# KiCad board PSEC5_Ctrl_Board.kicad_pcb (continued)
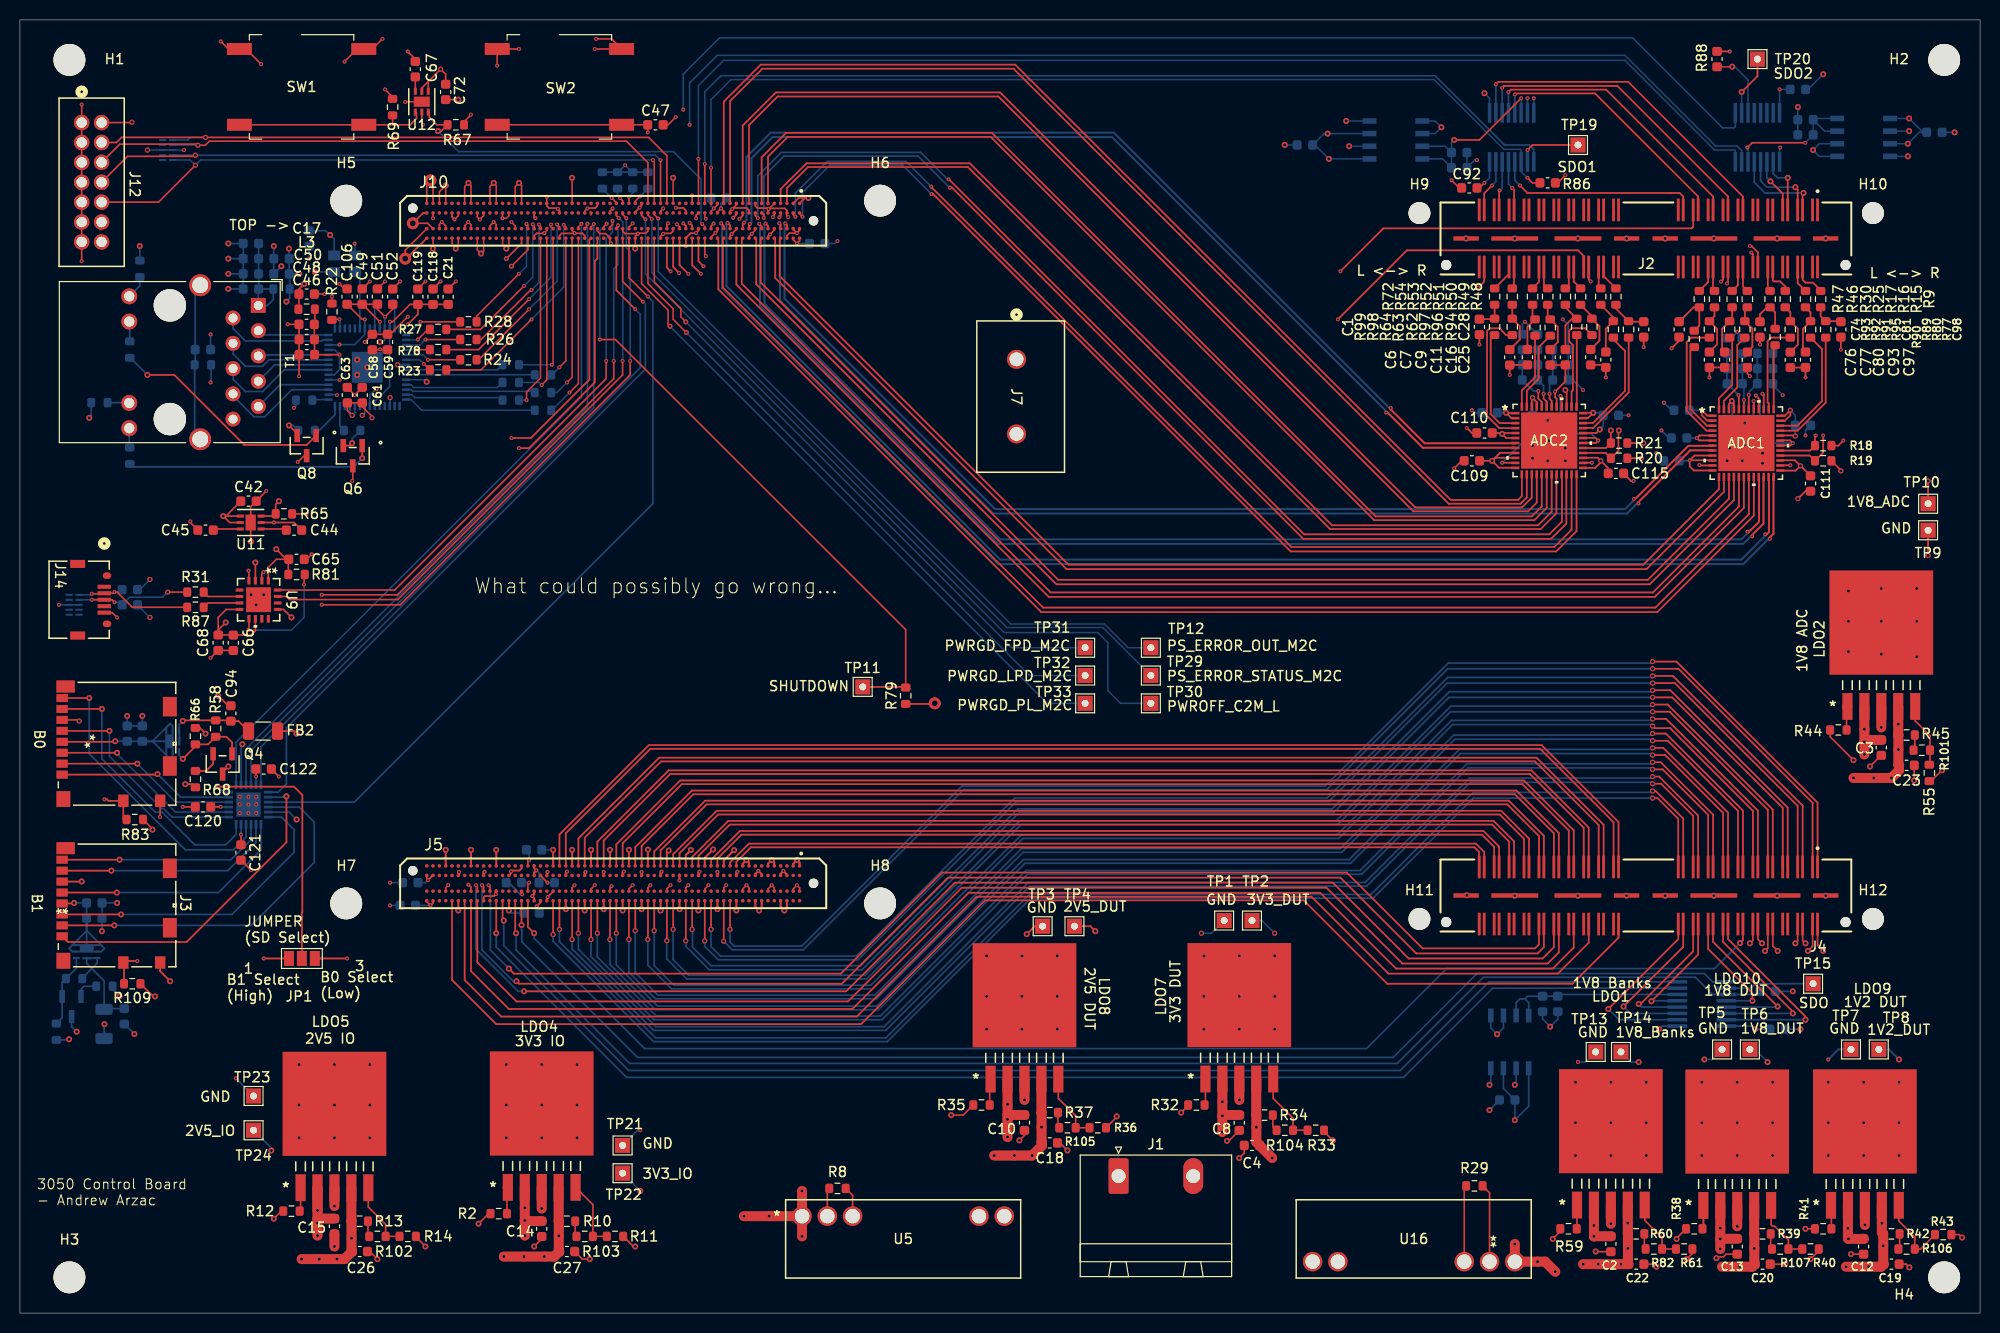
[diagram p0: board, top side]
## Library data of the parts
ADC1 ADC2 = -: ki_fp_filters: CP_48_8_ADI CP_48_8_ADI-M CP_48_8_ADI-L
C1-C4 C6-C16 C18-C20 C22-C32 C41-C45 C47 C67 C70-C89 C91-C93 C97-C103 C105 C109-C117 C155 = -: Description: Unpolarized capacitor, small symbol; ki_fp_filters: C_*
C5 C17 C21 C33-C40 C46 C48-C66 C68 C69 C90 C94 C95 C104 C106-C108 C118-C122 = -: Description: Unpolarized capacitor; ki_fp_filters: C_*
FB1 FB2 = -: Description: Ferrite bead; ki_fp_filters: Inductor_* L_* *Ferrite*
H1-H12 = -: Description: Mounting Hole without connection; ki_fp_filters: MountingHole*
J1 = -: ki_fp_filters: CONN_1766343_PXC
J2 J4 = -: PARTREV: M; STANDARD: Manufacturer Recommendations; MAXIMUM_PACKAGE_HEIGHT: 3.327mm; MANUFACTURER: Samtec
J3 J6 = -: ki_fp_filters: 104031-0811_MOL
J5 J10 = -: PARTREV: 7; MANUFACTURER: Samtec; MAXIMUM_PACKAGE_HEIGHT: 4.1mm; STANDARD: Manufacturer Recommendations
J7 = -: ki_fp_filters: CONN_1766453
J12 = -: ki_fp_filters: CONN_87831-1420_MOL
J14 = -: ki_fp_filters: ZX62D-B-5P830_HIR
JP1 = -: Description: Jumper, 3-pole, pins 1+2 closed/bridged; ki_fp_filters: Jumper* TestPoint*3Pads* TestPoint*Bridge*
L3 L5 = -: Description: Inductor; ki_fp_filters: Choke_* *Coil* Inductor_* L_*
LDO1 LDO2 LDO4 LDO5 LDO7-LDO10 = -: ki_fp_filters: TS5B TS5B-M TS5B-L
Q1 Q4 Q6 Q8 = -: Datasheet: https://ngspice.sourceforge.io/docs/ngspice-html-manual/manual.xhtml#cha_MOSFETs; Description: N-MOSFET transistor, drain/source/gate; Sim.Type: VDMOS; Sim.Pins: 1=D 2=G 3=S
R1 R3-R7 R22-R24 R26-R28 R31 R56 R57 R78 R81 R83 R84 R86-R88 R100 R108 R109 = -: Description: Resistor, US symbol; ki_fp_filters: R_*
R2 R8-R21 R25 R29 R30 R32-R55 R58-R77 R79 R80 R82 R85 R89-R99 R101-R107 R110-R115 = -: Description: Resistor, small US symbol; ki_fp_filters: R_*
SW1 SW2 = -: Datasheet: http://www.apem.com/int/index.php?controller=attachment&id_attachment=488; Description: MEC 5G single pole normally-open tactile switch; ki_fp_filters: SW*MEC*5G*
T1 = -: LED: green/yellow-green/yellow; USB: No; MOUNT: THT; DATASHEET-URL: https://www.we-online.com/redexpert/spec/7499111446?ae; DATA-RATE: 10/100/1000 Base-T; POE: non-PoE; PORTS: 1
TP1-TP15 TP19-TP24 TP29-TP33 = -: Description: test point; ki_fp_filters: Pin* Test*
U1 = -: ki_fp_filters: QFN_56P_MTG QFN_56P_MTG-M QFN_56P_MTG-L
U2 U4 U15 = -: MF: Analog Devices; VENDOR: Linear Technology; Description_1: Linear Technology Ltc2600cgn#Pbf / Ic Dac Octal r-r 16bit 16ssop; Package: SSOP-16 Linear Technology; Price: None; Check_prices: https://www.snapeda.com/parts/LTC2600CGN%23PBF/Analog+Devices/view-part/?ref=eda; SnapEDA_Link: https://www.snapeda.com/parts/LTC2600CGN%23PBF/Analog+Devices/view-part/?ref=snap; MP: LTC2600CGN#PBF; Availability: In Stock; MANUFACTURER_PART_NUMBER: ltc2600cgn
U3 U10 = -: ki_fp_filters: U_PUSB3FR4Z_NEX U_PUSB3FR4Z_NEX-M U_PUSB3FR4Z_NEX-L
U5 U16 = -: ki_fp_filters: OKX-T/5-D12N-C_MUR
U6 U14 = -: ki_fp_filters: SON_1DJ-T1-GE3_VIS
U7 U8 U13 = -: ki_fp_filters: SOIC8_NARROW_SN_MCH SOIC8_NARROW_SN_MCH-M SOIC8_NARROW_SN_MCH-L
U9 = -: ki_fp_filters: QFN-16_FTD QFN-16_FTD-M QFN-16_FTD-L
U11 U12 = -: ki_fp_filters: DRV6_1P6X1
U17 = -: ki_fp_filters: RTW24_2P45X2P45
Y3 = -: PARTREV: 08.06.14; STANDARD: Manufacturer Recommendations; MAXIMUM_PACKAGE_HEIGHT: 1.2 mm; MANUFACTURER: Abracon

## Footprints (pads in the part's own frame, mm; a bottom-side part is the same pattern mirrored in y, then rotated)
104031-0811_MOL
  rect 0.813x1.143 smd: 1(3.105,-5.521) 2(2.005,-5.521) 3(0.905,-5.521) 4(-0.195,-5.521) 5(-1.295,-5.521) 6(-2.395,-5.521) 7(-3.495,-5.521) 8(-4.595,-5.521)
  rect 1.245x1.041 smd: 9(5.74,0.628) 10(5.74,4.329)
  rect 1.6x1.397 smd: 11(5.565,-5.396)
  rect 1.219x1.854 smd: 12(-5.755,-5.172)
  rect 1.956x1.397 smd: 13(-3.73,5.303) 14(2.24,5.303)
C_0603_1608Metric
  rrect 0.9x0.95 smd: 1(-0.775,0) 2(0.775,0)
CONN_87831-1420_MOL
  round 1.549 hole 1.041: 1(0,0) 2(0,2) 3(2,0) 4(2,2) 5(4,0) 6(4,2) 7(6,0) 8(6,2) 9(8,0) 10(8,2) 11(10,0) 12(10,2) 13(12,0) 14(12,2)
CONN_1766453
  round 1.905 hole 1.397: 1(-7.5,0) 2(0,0)
CP_48_8_ADI
  rect 0.813x0.254 smd: 1(-3.404,2.75) 2(-3.404,2.25) 3(-3.404,1.75) 4(-3.404,1.25) 5(-3.404,0.75) 6(-3.404,0.25) 7(-3.404,-0.25) 8(-3.404,-0.75) 9(-3.404,-1.25) 10(-3.404,-1.75) 11(-3.404,-2.25) 12(-3.404,-2.75) 25(3.404,-2.75) 26(3.404,-2.25) 27(3.404,-1.75) 28(3.404,-1.25) 29(3.404,-0.75) 30(3.404,-0.25) 31(3.404,0.25) 32(3.404,0.75) 33(3.404,1.25) 34(3.404,1.75) 35(3.404,2.25) 36(3.404,2.75)
  rect 0.254x0.813 smd: 13(-2.75,-3.404) 14(-2.25,-3.404) 15(-1.75,-3.404) 16(-1.25,-3.404) 17(-0.75,-3.404) 18(-0.25,-3.404) 19(0.25,-3.404) 20(0.75,-3.404) 21(1.25,-3.404) 22(1.75,-3.404) 23(2.25,-3.404) 24(2.75,-3.404) 37(2.75,3.404) 38(2.25,3.404) 39(1.75,3.404) 40(1.25,3.404) 41(0.75,3.404) 42(0.25,3.404) 43(-0.25,3.404) 44(-0.75,3.404) 45(-1.25,3.404) 46(-1.75,3.404) 47(-2.25,3.404) 48(-2.75,3.404)
  rect 5.639x5.639 smd: 49(0,0)
DRV6_1P6X1
  rect 0.7x0.3 smd: 1(-1.05,0.65) 2(-1.05,0) 3(-1.05,-0.65) 4(1.05,-0.65) 5(1.05,0) 6(1.05,0.65)
  rect 1.016x1.6 smd: 7(0,0)
MountingHole_2.2mm_M2_DIN965
  round 2.2 hole 2.2 unplated: (0,0)
MountingHole_3.2mm_M3_DIN965
  round 3.2 hole 3.2 unplated: (0,0)
OKX-T&slash_5-D12N-C_MUR
  round 1.956 hole 1.448: 1(0,0) 2(2.54,0) 3(5.08,0) 4(17.78,0) 5(20.32,0)
PhoenixContact_GMSTBA_2,5_2-G_1x02_P7.50mm_Horizontal
  rrect 2x3.6 hole 1.4: 1(0,0)
  oval 2x3.6 hole 1.4: 2(7.5,0)
QFN-16_FTD
  rect 0.762x0.305 smd: 1(-1.918,0.975) 2(-1.918,0.325) 3(-1.918,-0.325) 4(-1.918,-0.975) 9(1.918,-0.975) 10(1.918,-0.325) 11(1.918,0.325) 12(1.918,0.975)
  rect 0.305x0.762 smd: 5(-0.975,-1.918) 6(-0.325,-1.918) 7(0.325,-1.918) 8(0.975,-1.918) 13(0.975,1.918) 14(0.325,1.918) 15(-0.325,1.918) 16(-0.975,1.918)
  rect 2.489x2.489 smd: 17(0,0)
QFN_56P_MTG
  rect 0.813x0.254 smd: 1(-3.899,3.25) 2(-3.899,2.75) 3(-3.899,2.25) 4(-3.899,1.75) 5(-3.899,1.25) 6(-3.899,0.75) 7(-3.899,0.25) 8(-3.899,-0.25) 9(-3.899,-0.75) 10(-3.899,-1.25) 11(-3.899,-1.75) 12(-3.899,-2.25) 13(-3.899,-2.75) 14(-3.899,-3.25) 29(3.899,-3.25) 30(3.899,-2.75) 31(3.899,-2.25) 32(3.899,-1.75) 33(3.899,-1.25) 34(3.899,-0.75) 35(3.899,-0.25) 36(3.899,0.25) 37(3.899,0.75) 38(3.899,1.25) 39(3.899,1.75) 40(3.899,2.25) 41(3.899,2.75) 42(3.899,3.25)
  rect 0.254x0.813 smd: 15(-3.25,-3.899) 16(-2.75,-3.899) 17(-2.25,-3.899) 18(-1.75,-3.899) 19(-1.25,-3.899) 20(-0.75,-3.899) 21(-0.25,-3.899) 22(0.25,-3.899) 23(0.75,-3.899) 24(1.25,-3.899) 25(1.75,-3.899) 26(2.25,-3.899) 27(2.75,-3.899) 28(3.25,-3.899) 43(3.25,3.899) 44(2.75,3.899) 45(2.25,3.899) 46(1.75,3.899) 47(1.25,3.899) 48(0.75,3.899) 49(0.25,3.899) 50(-0.25,3.899) 51(-0.75,3.899) 52(-1.25,3.899) 53(-1.75,3.899) 54(-2.25,3.899) 55(-2.75,3.899) 56(-3.25,3.899)
  rect 3.099x3.099 smd: 57(0,0)
R_0603_1608Metric
  rrect 0.8x0.95 smd: 1(-0.825,0) 2(0.825,0)
R_1206_3216Metric
  rrect 1.125x1.75 smd: 1(-1.462,0) 2(1.462,0)
RJ45_Wuerth_7499111446_Horizontal
  round 3.25 hole 3.25 unplated: (0,-8.89) (11.43,-8.89)
  rect 1.5x1.5 hole 0.9: 1(0,0)
  round 1.5 hole 0.9: 2(1.27,-2.54) 3(2.54,0) 4(3.81,-2.54) 5(5.08,0) 6(6.35,-2.54) 7(7.62,0) 8(8.89,-2.54) 9(10.16,0) 10(11.43,-2.54)
  round 1.6 hole 1.02: 11(-0.915,-12.97) 12(1.625,-12.97) 13(9.805,-12.97) 14(12.345,-12.97)
  round 2.2 hole 1.6: S1(-2.03,-5.84) S2(13.46,-5.84)
RTW24_2P45X2P45
  rect 0.85x0.28 smd: 1(-1.975,1.25) 2(-1.975,0.75) 3(-1.975,0.25) 4(-1.975,-0.25) 5(-1.975,-0.75) 6(-1.975,-1.25) 13(1.975,-1.25) 14(1.975,-0.75) 15(1.975,-0.25) 16(1.975,0.25) 17(1.975,0.75) 18(1.975,1.25)
  rect 0.28x0.85 smd: 7(-1.25,-1.975) 8(-0.75,-1.975) 9(-0.25,-1.975) 10(0.25,-1.975) 11(0.75,-1.975) 12(1.25,-1.975) 19(1.25,1.975) 20(0.75,1.975) 21(0.25,1.975) 22(-0.25,1.975) 23(-0.75,1.975) 24(-1.25,1.975)
  rect 2.45x2.45 smd: 25(0,0)
SAMTEC_ADM6-60-01.5-L-4-2-A-TR
  round 0.95 hole 0.95 unplated: (-20.135,1.27) (20.135,0)
  round 0.356 smd: A01(18.733,1.75) A02(18.098,1.75) A03(17.462,1.75) A04(16.828,1.75) A05(16.192,1.75) A06(15.557,1.75) A07(14.922,1.75) A08(14.287,1.75) A09(13.652,1.75) A10(13.018,1.75) A11(12.383,1.75) A12(11.748,1.75) A13(11.113,1.75) A14(10.477,1.75) A15(9.842,1.75) A16(9.207,1.75) A17(8.572,1.75) A18(7.938,1.75) A19(7.303,1.75) A20(6.668,1.75) A21(6.032,1.75) A22(5.397,1.75) A23(4.763,1.75) A24(4.128,1.75) A25(3.493,1.75) A26(2.857,1.75) A27(2.223,1.75) A28(1.587,1.75) A29(0.953,1.75) A30(0.318,1.75) A31(-0.318,1.75) A32(-0.953,1.75) A33(-1.587,1.75) A34(-2.223,1.75) A35(-2.857,1.75) A36(-3.493,1.75) A37(-4.128,1.75) A38(-4.763,1.75) A39(-5.397,1.75) A40(-6.032,1.75) A41(-6.668,1.75) A42(-7.303,1.75) A43(-7.938,1.75) A44(-8.572,1.75) A45(-9.207,1.75) A46(-9.842,1.75) A47(-10.477,1.75) A48(-11.113,1.75) A49(-11.748,1.75) A50(-12.383,1.75) A51(-13.018,1.75) A52(-13.652,1.75) A53(-14.287,1.75) A54(-14.922,1.75) A55(-15.557,1.75) A56(-16.192,1.75) A57(-16.828,1.75) A58(-17.462,1.75) A59(-18.098,1.75) A60(-18.733,1.75) B01(18.733,0.79) B02(18.098,0.79) B03(17.462,0.79) B04(16.828,0.79) B05(16.192,0.79) B06(15.557,0.79) B07(14.922,0.79) B08(14.287,0.79) B09(13.652,0.79) B10(13.018,0.79) B11(12.383,0.79) B12(11.748,0.79) B13(11.113,0.79) B14(10.477,0.79) B15(9.842,0.79) B16(9.207,0.79) B17(8.572,0.79) B18(7.938,0.79) B19(7.303,0.79) B20(6.668,0.79) B21(6.032,0.79) B22(5.397,0.79) B23(4.763,0.79) B24(4.128,0.79) B25(3.493,0.79) B26(2.857,0.79) B27(2.223,0.79) B28(1.587,0.79) B29(0.953,0.79) B30(0.318,0.79) B31(-0.318,0.79) B32(-0.953,0.79) B33(-1.587,0.79) B34(-2.223,0.79) B35(-2.857,0.79) B36(-3.493,0.79) B37(-4.128,0.79) B38(-4.763,0.79) B39(-5.397,0.79) B40(-6.032,0.79) B41(-6.668,0.79) B42(-7.303,0.79) B43(-7.938,0.79) B44(-8.572,0.79) B45(-9.207,0.79) B46(-9.842,0.79) B47(-10.477,0.79) B48(-11.113,0.79) B49(-11.748,0.79) B50(-12.383,0.79) B51(-13.018,0.79) B52(-13.652,0.79) B53(-14.287,0.79) B54(-14.922,0.79) B55(-15.557,0.79) B56(-16.192,0.79) B57(-16.828,0.79) B58(-17.462,0.79) B59(-18.098,0.79) B60(-18.733,0.79) C01(18.733,-0.79) C02(18.098,-0.79) C03(17.462,-0.79) C04(16.828,-0.79) C05(16.192,-0.79) C06(15.557,-0.79) C07(14.922,-0.79) C08(14.287,-0.79) C09(13.652,-0.79) C10(13.018,-0.79) C11(12.383,-0.79) C12(11.748,-0.79) C13(11.113,-0.79) C14(10.477,-0.79) C15(9.842,-0.79) C16(9.207,-0.79) C17(8.572,-0.79) C18(7.938,-0.79) C19(7.303,-0.79) C20(6.668,-0.79) C21(6.032,-0.79) C22(5.397,-0.79) C23(4.763,-0.79) C24(4.128,-0.79) C25(3.493,-0.79) C26(2.857,-0.79) C27(2.223,-0.79) C28(1.587,-0.79) C29(0.953,-0.79) C30(0.318,-0.79) C31(-0.318,-0.79) C32(-0.953,-0.79) C33(-1.587,-0.79) C34(-2.223,-0.79) C35(-2.857,-0.79) C36(-3.493,-0.79) C37(-4.128,-0.79) C38(-4.763,-0.79) C39(-5.397,-0.79) C40(-6.032,-0.79) C41(-6.668,-0.79) C42(-7.303,-0.79) C43(-7.938,-0.79) C44(-8.572,-0.79) C45(-9.207,-0.79) C46(-9.842,-0.79) C47(-10.477,-0.79) C48(-11.113,-0.79) C49(-11.748,-0.79) C50(-12.383,-0.79) C51(-13.018,-0.79) C52(-13.652,-0.79) C53(-14.287,-0.79) C54(-14.922,-0.79) C55(-15.557,-0.79) C56(-16.192,-0.79) C57(-16.828,-0.79) C58(-17.462,-0.79) C59(-18.098,-0.79) C60(-18.733,-0.79) D01(18.733,-1.75) D02(18.098,-1.75) D03(17.462,-1.75) D04(16.828,-1.75) D05(16.192,-1.75) D06(15.557,-1.75) D07(14.922,-1.75) D08(14.287,-1.75) D09(13.652,-1.75) D10(13.018,-1.75) D11(12.383,-1.75) D12(11.748,-1.75) D13(11.113,-1.75) D14(10.477,-1.75) D15(9.842,-1.75) D16(9.207,-1.75) D17(8.572,-1.75) D18(7.938,-1.75) D19(7.303,-1.75) D20(6.668,-1.75) D21(6.032,-1.75) D22(5.397,-1.75) D23(4.763,-1.75) D24(4.128,-1.75) D25(3.493,-1.75) D26(2.857,-1.75) D27(2.223,-1.75) D28(1.587,-1.75) D29(0.953,-1.75) D30(0.318,-1.75) D31(-0.318,-1.75) D32(-0.953,-1.75) D33(-1.587,-1.75) D34(-2.223,-1.75) D35(-2.857,-1.75) D36(-3.493,-1.75) D37(-4.128,-1.75) D38(-4.763,-1.75) D39(-5.397,-1.75) D40(-6.032,-1.75) D41(-6.668,-1.75) D42(-7.303,-1.75) D43(-7.938,-1.75) D44(-8.572,-1.75) D45(-9.207,-1.75) D46(-9.842,-1.75) D47(-10.477,-1.75) D48(-11.113,-1.75) D49(-11.748,-1.75) D50(-12.383,-1.75) D51(-13.018,-1.75) D52(-13.652,-1.75) D53(-14.287,-1.75) D54(-14.922,-1.75) D55(-15.557,-1.75) D56(-16.192,-1.75) D57(-16.828,-1.75) D58(-17.462,-1.75) D59(-18.098,-1.75) D60(-18.733,-1.75)
SAMTEC_QSH-040-01-X-D-DP-A
  round 1.02 hole 1.02 unplated: (-20.068,2.67) (20.068,2.67)
  rect 0.28x2.27 smd: 01(-17.25,-2.87) 02(-17.25,2.87) 03(-16.75,-2.87) 04(-16.75,2.87) 05(-15.75,-2.87) 06(-15.75,2.87) 07(-15.25,-2.87) 08(-15.25,2.87) 09(-14.25,-2.87) 10(-14.25,2.87) 11(-13.75,-2.87) 12(-13.75,2.87) 13(-12.75,-2.87) 14(-12.75,2.87) 15(-12.25,-2.87) 16(-12.25,2.87) 17(-11.25,-2.87) 18(-11.25,2.87) 19(-10.75,-2.87) 20(-10.75,2.87) 21(-9.75,-2.87) 22(-9.75,2.87) 23(-9.25,-2.87) 24(-9.25,2.87) 25(-8.25,-2.87) 26(-8.25,2.87) 27(-7.75,-2.87) 28(-7.75,2.87) 29(-6.75,-2.87) 30(-6.75,2.87) 31(-6.25,-2.87) 32(-6.25,2.87) 33(-5.25,-2.87) 34(-5.25,2.87) 35(-4.75,-2.87) 36(-4.75,2.87) 37(-3.75,-2.87) 38(-3.75,2.87) 39(-3.25,-2.87) 40(-3.25,2.87) 41(2.75,-2.87) 42(2.75,2.87) 43(3.25,-2.87) 44(3.25,2.87) 45(4.25,-2.87) 46(4.25,2.87) 47(4.75,-2.87) 48(4.75,2.87) 49(5.75,-2.87) 50(5.75,2.87) 51(6.25,-2.87) 52(6.25,2.87) 53(7.25,-2.87) 54(7.25,2.87) 55(7.75,-2.87) 56(7.75,2.87) 57(8.75,-2.87) 58(8.75,2.87) 59(9.25,-2.87) 60(9.25,2.87) 61(10.25,-2.87) 62(10.25,2.87) 63(10.75,-2.87) 64(10.75,2.87) 65(11.75,-2.87) 66(11.75,2.87) 67(12.25,-2.87) 68(12.25,2.87) 69(13.25,-2.87) 70(13.25,2.87) 71(13.75,-2.87) 72(13.75,2.87) 73(14.75,-2.87) 74(14.75,2.87) 75(15.25,-2.87) 76(15.25,2.87) 77(16.25,-2.87) 78(16.25,2.87) 79(16.75,-2.87) 80(16.75,2.87)
  rect 2.54x0.43 smd: G1(-18.07,0) G4(-1.94,0) G5(1.94,0) G8(18.07,0)
  rect 4.7x0.43 smd: G2(-13.18,0) G3(-6.83,0) G6(6.83,0) G7(13.18,0)
SOIC8_NARROW_SN_MCH
  rect 1.397x0.559 smd: 1(-2.654,1.905) 2(-2.654,0.635) 3(-2.654,-0.635) 4(-2.654,-1.905) 5(2.654,-1.905) 6(2.654,-0.635) 7(2.654,0.635) 8(2.654,1.905)
SolderJumper-3_P1.3mm_Open_Pad1.0x1.5mm_NumberLabels
  rect 1x1.5 smd: 1(-1.3,0) 2(0,0) 3(1.3,0)
SON_1DJ-T1-GE3_VIS
  rect 0.686x0.203 smd: 1(-1.041,-0.65) 1(-1.041,0) 1(1.041,-0.65) 1(1.041,0) 3(-1.041,0.65) 4(1.041,0.65)
  rect 1.397x0.853 smd: 1(0,-0.325)
  rect 0.864x0.229 smd: 7(0,0.664)
SOT-23_TO-236_VIS
  rect 0.559x1.321 smd: 1(-0.95,-1.016) 2(0.95,-1.016) 3(0,1.016)
SSOP-16_GN
  rect 1.981x0.356 smd: 1(-2.464,2.223) 2(-2.464,1.587) 3(-2.464,0.953) 4(-2.464,0.318) 5(-2.464,-0.318) 6(-2.464,-0.953) 7(-2.464,-1.587) 8(-2.464,-2.223) 9(2.464,-2.223) 10(2.464,-1.587) 11(2.464,-0.953) 12(2.464,-0.318) 13(2.464,0.318) 14(2.464,0.953) 15(2.464,1.587) 16(2.464,2.223)
SW_MEC_5GSH9
  rect 1.2x2.5 smd: 1(-3.81,6.25) 2(-3.81,-6.25) 3(3.81,6.25) 4(3.81,-6.25)
TestPoint_THTPad_1.5x1.5mm_Drill0.7mm
  rect 1.5x1.5 hole 0.7: 1(0,0)
TS5B
  rect 1.016x2.692 smd: 1(-3.404,-8.28) 2(-1.702,-8.28) 3(0,-8.28) 4(1.702,-8.28) 5(3.404,-8.28)
  rect 10.414x10.465 smd: 6(0,0.152)
U_PUSB3FR4Z_NEX
  rect 0.711x0.203 smd: 1(-0.495,1) 2(-0.495,0.5) 3(-0.495,0) 4(-0.495,-0.5) 5(-0.495,-1) 6(0.495,-1) 7(0.495,-0.5) 8(0.495,0) 9(0.495,0.5) 10(0.495,1)
XTAL_ASE2-25.000MHZ-ET
  rect 1x1.2 smd: 1(-0.825,1.05) 2(-0.825,-1.05) 3(0.825,-1.05) 4(0.825,1.05)
ZX62D-B-5P830_HIR
  rect 0.406x1.346 smd: 1(-1.3,2.525) 2(-0.65,2.525) 3(0,2.525) 4(0.65,2.525) 5(1.3,2.525)
  oval 0.65x0.85 smd: 6(-2.425,2.799) 7(2.425,2.799)
  rect 0.813x1.499 smd: 8(-3.6,-0.15) 9(3.6,-0.15)

## Nets
1V2_DUT: C19.1 J4.02 J4.04 LDO9.4 R42.1 TP8.1
1V8_ADC: ADC1.1 ADC1.2 ADC1.5 ADC1.6 ADC1.9 ADC1.10 ADC1.12 ADC1.25 ADC1.27 ADC1.32 ADC1.35 ADC1.36 ADC1.39 ADC1.45 ADC1.46 ADC2.1 ADC2.2 ADC2.5 ADC2.6 ADC2.9 ADC2.10 ADC2.12 ADC2.25 ADC2.27 ADC2.32 ADC2.35 ADC2.36 ADC2.39 ADC2.45 ADC2.46 C23.1 C24.1 C41.1 C99.1 C100.1 C101.1 C109.1 C110.1 C111.1 C112.1 C113.1 C114.1 C115.1 LDO2.4 R45.1 TP10.1
1V8_Banks: C22.1 C65.1 C71.1 C83.1 C84.1 C86.1 C87.1 C88.1 C122.1 J5.A44 J5.B42 J5.C44 J5.D42 J5.D59 J5.D60 J10.D01 J10.D02 J12.2 LDO1.4 R18.1 R19.1 R20.1 R21.1 R60.1 R68.1 R81.2 R83.1 R85.1 R109.1 TP14.1 U9.1 U17.5
1V8_DUT: C20.1 J4.14 J4.16 LDO10.4 R39.1 TP6.1
2V5_DUT: C18.1 J4.18 J4.20 LDO8.4 R37.1 TP4.1
2V5_IO: C26.1 C60.1 C70.1 C85.1 C91.1 C92.1 C105.1 J5.B59 J5.B60 J10.B13 J10.B14 LDO5.4 R13.1 R86.2 R88.2 R108.2 TP24.1 U2.16 U4.16 U15.16 Y3.1 Y3.4
3V3_DUT: C4.1 J4.06 J4.08 LDO7.4 R34.1 TP2.1
3V3_IO: C17.1 C27.1 C29.1 C31.1 C42.1 C58.1 C59.1 C61.1 C62.1 C63.1 C64.1 C66.1 C68.1 C72.1 C102.1 C120.1 C121.1 FB1.2 FB2.2 JP1.1 L3.2 L5.2 LDO4.4 R10.1 R65.1 R67.1 R69.1 R74.2 R76.2 TP22.1 U1.10 U1.11 U1.36 U1.49 U1.52 U7.1 U7.3 U8.1 U8.3 U9.8 U9.10 U11.1 U11.2 U12.1 U12.2 U13.1 U13.3 U17.17 U17.21
/SOM240_1(1.5)/ethernet1/AVDD18: C49.1 C51.1 C52.1 C106.1 U1.3 U1.19 U1.26 U1.35 U1.38 U1.39
/SOM240_1(1.5)/ethernet1/AVDD33: C46.1 C48.1 C50.1 L3.1 U1.20 U1.25
/SOM240_1(1.5)/ethernet1/DVDD: C21.1 C118.1 C119.1 U1.6 U1.40 U1.42
GND: ADC1.11 ADC1.26 ADC1.30 ADC1.31 ADC1.41 ADC1.49 ADC2.11 ADC2.26 ADC2.30 ADC2.31 ADC2.41 ADC2.49 C1.2 C2.2 C3.2 C4.2 C5.2 C6.2 C7.2 C8.2 C9.2 C10.2 C11.2 C12.2 C13.2 C14.2 C15.2 C16.2 C17.2 C18.2 C19.2 C20.2 C21.2 C22.2 C23.2 C24.2 C25.2 C26.2 C27.2 C28.2 C29.2 C30.2 C31.2 C32.2 C33.2 C34.2 C37.2 C38.2 C41.2 C42.2 C43.2 C44.2 C45.2 C46.2 C47.2 C48.2 C49.2 C50.2 C51.2 C52.2 C53.2 C54.2 C55.2 C56.2 C57.2 C58.2 C59.2 C60.2 C61.2 C62.2 C63.2 C64.2 C65.2 C66.2 C67.2 C68.2 C69.2 C70.2 C71.2 C72.2 C73.2 C74.2 C75.2 C76.2 C77.2 C78.2 C79.2 C80.2 C81.2 C82.2 C83.2 C84.2 C85.2 C86.2 C87.2 C88.2 C89.2 C90.2 C91.2 C92.2 C93.2 C94.2 C95.2 C97.2 C98.2 C99.2 C100.2 C101.2 C102.2 C103.2 C104.2 C105.2 C106.2 C107.2 C108.2 C109.2 C110.2 C111.2 C112.2 C113.2 C114.2 C115.2 C116.2 C117.2 C118.2 C119.2 C120.2 C121.2 C122.2 J1.2 J2.G1 J2.G2 J2.G3 J2.G4 J2.G5 J2.G6 J2.G7 J2.G8 J3.6 J3.10 J4.G1 J4.G2 J4.G3 J4.G4 J4.G5 J4.G6 J4.G7 J4.G8 J5.A01 J5.A02 J5.A05 J5.A06 J5.A09 J5.A10 J5.A13 J5.A16 J5.A19 J5.A22 J5.A25 J5.A28 J5.A31 J5.A34 J5.A37 J5.A40 J5.A43 J5.A45 J5.A49 J5.A53 J5.A57 J5.B03 J5.B04 J5.B07 J5.B08 J5.B11 J5.B14 J5.B17 J5.B20 J5.B23 J5.B26 J5.B29 J5.B32 J5.B35 J5.B38 J5.B41 J5.B43 J5.B47 J5.B51 J5.B55 J5.C01 J5.C02 J5.C05 J5.C06 J5.C09 J5.C10 J5.C13 J5.C16 J5.C19 J5.C22 J5.C25 J5.C28 J5.C31 J5.C34 J5.C37 J5.C40 J5.C43 J5.C45 J5.C49 J5.C53 J5.C57 J5.D03 J5.D04 J5.D07 J5.D08 J5.D11 J5.D14 J5.D17 J5.D20 J5.D23 J5.D26 J5.D29 J5.D32 J5.D35 J5.D38 J5.D41 J5.D43 J5.D47 J5.D51 J5.D55 J6.6 J6.10 J7.2 J10.A01 J10.A02 J10.A05 J10.A08 J10.A11 J10.A14 J10.A18 J10.A21 J10.A26 J10.A33 J10.A37 J10.A41 J10.A45 J10.A46 J10.A49 J10.A50 J10.A53 J10.A54 J10.A57 J10.A58 J10.B03 J10.B06 J10.B09 J10.B12 J10.B15 J10.B19 J10.B23 J10.B27 J10.B31 J10.B35 J10.B39 J10.B43 J10.B47 J10.B48 J10.B51 J10.B52 J10.B55 J10.B56 J10.B59 J10.C01 J10.C02 J10.C05 J10.C08 J10.C11 J10.C14 J10.C17 J10.C21 J10.C25 J10.C29 J10.C33 J10.C37 J10.C41 J10.C46 J10.C49 J10.C50 J10.C53 J10.C54 J10.C57 J10.C58 J10.D03 J10.D06 J10.D09 J10.D12 J10.D15 J10.D19 J10.D23 J10.D27 J10.D31 J10.D35 J10.D39 J10.D43 J10.D47 J10.D48 J10.D51 J10.D52 J10.D55 J10.D56 J10.D59 J12.1 J12.3 J12.5 J12.7 J12.9 J12.11 J12.13 J14.5 JP1.3 LDO1.3 LDO1.6 LDO2.3 LDO2.6 LDO4.3 LDO4.6 LDO5.3 LDO5.6 LDO7.3 LDO7.6 LDO8.3 LDO8.6 LDO9.3 LDO9.6 LDO10.3 LDO10.6 Q1.3 Q4.3 Q6.3 Q8.3 R8.1 R11.2 R14.2 R22.2 R29.1 R33.2 R36.2 R40.2 R43.2 R55.2 R56.2 R57.2 R61.2 R66.2 R70.1 R71.1 R73.1 R75.1 R79.1 R84.1 R100.2 R111.2 SW1.1 SW1.2 SW2.1 SW2.2 T1.10 TP1.1 TP3.1 TP5.1 TP7.1 TP9.1 TP13.1 TP21.1 TP23.1 U1.57 U2.1 U3.3 U3.8 U4.1 U5.3 U7.2 U7.4 U7.5 U7.6 U8.2 U8.4 U8.5 U8.6 U9.3 U9.13 U9.17 U10.3 U10.8 U11.5 U11.7 U12.5 U12.7 U13.2 U13.4 U13.5 U13.6 U15.1 U16.3 U17.2 U17.11 U17.25 Y3.2
VDD_BUCK_2V5: C2.1 C3.1 C12.1 C13.1 LDO1.2 LDO2.2 LDO9.2 LDO10.2 R38.1 R41.1 R44.1 R59.1 U16.1
VDD_BUCK_5V: C8.1 C10.1 C14.1 C15.1 J7.1 J10.A59 J10.A60 J10.B60 J10.C59 J10.C60 J10.D60 LDO4.2 LDO5.2 LDO7.2 LDO8.2 R2.1 R12.1 R32.1 R35.1 U5.1
/power2/power: J1.1 U5.4 U16.4
/SOM240_1(1.5)/ADC1_SCLK/DTP: ADC1.28 J10.B05 R19.2
/SOM240_1(1.5)/ADC1_SDIO/ODM: ADC1.29 J10.B04 R18.2
/SOM240_1(1.5)/ADC2_SCLK/DTP: ADC2.28 J10.B11 R20.2
/SOM240_1(1.5)/ADC2_SDIO/ODM: ADC2.29 J10.B10 R21.2
/SOM240_1(1.5)/ADC_CLK1+: ADC1.8 J10.C04
/SOM240_1(1.5)/ADC_CLK1-: ADC1.7 J10.C03
/SOM240_1(1.5)/ADC_CLK2+: ADC2.8 J10.C09
/SOM240_1(1.5)/ADC_CLK2-: ADC2.7 J10.C10
/SOM240_1(1.5)/ADC_DOUT1+: ADC1.20 J10.D14
/SOM240_1(1.5)/ADC_DOUT1-: ADC1.19 J10.D13
/SOM240_1(1.5)/ADC_DOUT2+: ADC1.18 J10.D11
/SOM240_1(1.5)/ADC_DOUT2-: ADC1.17 J10.D10
/SOM240_1(1.5)/ADC_DOUT3+: ADC1.16 J10.D08
/SOM240_1(1.5)/ADC_DOUT3-: ADC1.15 J10.D07
/SOM240_1(1.5)/ADC_DOUT4+: ADC1.14 J10.D05
/SOM240_1(1.5)/ADC_DOUT4-: ADC1.13 J10.D04
/SOM240_1(1.5)/ADC_DOUT5+: ADC2.20 J10.A03
/SOM240_1(1.5)/ADC_DOUT5-: ADC2.19 J10.A04
/SOM240_1(1.5)/ADC_DOUT6+: ADC2.18 J10.A06
/SOM240_1(1.5)/ADC_DOUT6-: ADC2.17 J10.A07
/SOM240_1(1.5)/ADC_DOUT7+: ADC2.16 J10.A09
/SOM240_1(1.5)/ADC_DOUT7-: ADC2.15 J10.A10
/SOM240_1(1.5)/ADC_DOUT8+: ADC2.14 J10.A12
/SOM240_1(1.5)/ADC_DOUT8-: ADC2.13 J10.A13
/SOM240_1(1.5)/CLR_DAC*: J10.A15 R86.1 R88.1 U2.11 U4.11
/SOM240_1(1.5)/CS/LD_DAC1*: J10.B16 U2.7
/SOM240_1(1.5)/CS/LD_DAC2*: J10.C18 U4.7
/SOM240_1(1.5)/DataClk1+: ADC1.24 J10.C13
/SOM240_1(1.5)/DataClk1-: ADC1.23 J10.C12
/SOM240_1(1.5)/DataClk2+: ADC2.24 J10.B01
/SOM240_1(1.5)/DataClk2-: ADC2.23 J10.B02
/SOM240_1(1.5)/ETH_MDC: J10.D44 U1.7
/SOM240_1(1.5)/ETH_MDIO: J10.D45 U1.8
/SOM240_1(1.5)/ETH_RX_CLK: J10.C40 R78.2
/SOM240_1(1.5)/ETH_RX_CTRL: J10.C44 R28.2
/SOM240_1(1.5)/ETH_RXD0: J10.C43 R27.2
/SOM240_1(1.5)/ETH_RXD1: J10.C42 R26.2
/SOM240_1(1.5)/ETH_RXD2: J10.C39 R24.2
/SOM240_1(1.5)/ETH_RXD3: J10.C38 R23.2
/SOM240_1(1.5)/ETH_TX_CLK: R6.2 U1.53
/SOM240_1(1.5)/ETH_TX_CTRL: R1.2 U1.56
/SOM240_1(1.5)/ETH_TXD0: R5.2 U1.50
/SOM240_1(1.5)/ETH_TXD1: R4.2 U1.51
/SOM240_1(1.5)/ETH_TXD2: R3.2 U1.54
/SOM240_1(1.5)/ETH_TXD3: R7.2 U1.55
/SOM240_1(1.5)/ethernet1/ETH_LED0: R112.1 U1.14
/SOM240_1(1.5)/ethernet1/ETH_LED1: R113.1 U1.13
/SOM240_1(1.5)/ethernet1/OSC25_OUT: U1.34 Y3.3
/SOM240_1(1.5)/ethernet1/PHY_MDI0_N: T1.3 U1.28
/SOM240_1(1.5)/ethernet1/PHY_MDI0_P: T1.2 U1.27
/SOM240_1(1.5)/ethernet1/PHY_MDI1_N: T1.5 U1.24
/SOM240_1(1.5)/ethernet1/PHY_MDI1_P: T1.4 U1.23
/SOM240_1(1.5)/ethernet1/PHY_MDI2_N: T1.7 U1.22
/SOM240_1(1.5)/ethernet1/PHY_MDI2_P: T1.6 U1.21
/SOM240_1(1.5)/ethernet1/PHY_MDI3_N: T1.9 U1.18
/SOM240_1(1.5)/ethernet1/PHY_MDI3_P: T1.8 U1.17
/SOM240_1(1.5)/ethernet1/PHY_VCC: C53.1 C54.1 C55.1 C56.1 L5.1 T1.1
/SOM240_1(1.5)/FrameClk1+: ADC1.22 J10.C07
/SOM240_1(1.5)/FrameClk1-: ADC1.21 J10.C06
/SOM240_1(1.5)/FrameClk2+: ADC2.22 J10.B07
/SOM240_1(1.5)/FrameClk2-: ADC2.21 J10.B08
/SOM240_1(1.5)/FWUEN_B: C47.1 J10.C28 SW2.3 SW2.4
/SOM240_1(1.5)/JTAG_CLK: J10.A25 J12.6 U3.2
/SOM240_1(1.5)/JTAG_TDI: J10.A24 J12.10 U3.5
/SOM240_1(1.5)/JTAG_TDO: J10.A23 J12.8 U3.4
/SOM240_1(1.5)/JTAG_TMS: J10.A22 J12.4 U3.1
/SOM240_1(1.5)/MODE0: J10.A27 R75.2
/SOM240_1(1.5)/MODE1: J10.A28 R73.2
/SOM240_1(1.5)/MODE2: J10.A29 R71.2
/SOM240_1(1.5)/MODE3: J10.A30 R70.2
/SOM240_1(1.5)/Peripherals_Ctrl1/READOUT1+: ADC1.33 R77.2
/SOM240_1(1.5)/Peripherals_Ctrl1/READOUT1-: ADC1.34 R80.2
/SOM240_1(1.5)/Peripherals_Ctrl1/READOUT2+: ADC1.38 R89.2
/SOM240_1(1.5)/Peripherals_Ctrl1/READOUT2-: ADC1.37 R90.2
/SOM240_1(1.5)/Peripherals_Ctrl1/READOUT3+: ADC1.47 R95.2
/SOM240_1(1.5)/Peripherals_Ctrl1/READOUT3-: ADC1.48 R91.2
/SOM240_1(1.5)/Peripherals_Ctrl1/READOUT4+: ADC1.4 R92.2
/SOM240_1(1.5)/Peripherals_Ctrl1/READOUT4-: ADC1.3 R93.2
/SOM240_1(1.5)/Peripherals_Ctrl1/READOUT5+: ADC2.33 R94.2
/SOM240_1(1.5)/Peripherals_Ctrl1/READOUT5-: ADC2.34 R96.2
/SOM240_1(1.5)/Peripherals_Ctrl1/READOUT6+: ADC2.38 R97.2
/SOM240_1(1.5)/Peripherals_Ctrl1/READOUT6-: ADC2.37 R62.2
/SOM240_1(1.5)/Peripherals_Ctrl1/READOUT7+: ADC2.47 R63.2
/SOM240_1(1.5)/Peripherals_Ctrl1/READOUT7-: ADC2.48 R64.2
/SOM240_1(1.5)/Peripherals_Ctrl1/READOUT8+: ADC2.4 R98.2
/SOM240_1(1.5)/Peripherals_Ctrl1/READOUT8-: ADC2.3 R99.2
/SOM240_1(1.5)/SCK_DAC1: J10.B17 U2.8
/SOM240_1(1.5)/SCK_DAC2: J10.A17 U4.8
/SOM240_1(1.5)/SD_CLK: J10.D28 U17.9
/SOM240_1(1.5)/SD_CMD: J10.C34 U17.4
/SOM240_1(1.5)/SD_DAT0: J10.D30 U17.6
/SOM240_1(1.5)/SD_DAT1: J10.D29 U17.7
/SOM240_1(1.5)/SD_DAT2: J10.C36 U17.1
/SOM240_1(1.5)/SD_DAT3: J10.C35 U17.3
/SOM240_1(1.5)/SD_DETECT_0: J6.9 J10.D34 R83.2
/SOM240_1(1.5)/SD_DETECT_1: J3.9 J10.D33 R109.2
/SOM240_1(1.5)/SDcard1/CLKB_0: J6.5 U17.19
/SOM240_1(1.5)/SDcard1/CLKB_1: J3.5 U17.13
/SOM240_1(1.5)/SDcard1/CMDB_0: J6.3 U17.20
/SOM240_1(1.5)/SDcard1/CMDB_1: J3.3 U17.12
/SOM240_1(1.5)/SDcard1/DAT0B_0: J6.7 U17.18
/SOM240_1(1.5)/SDcard1/DAT0B_1: J3.7 U17.14
/SOM240_1(1.5)/SDcard1/DAT1B_0: J6.8 U17.16
/SOM240_1(1.5)/SDcard1/DAT1B_1: J3.8 U17.15
/SOM240_1(1.5)/SDcard1/DAT2B_0: J6.1 U17.23
/SOM240_1(1.5)/SDcard1/DAT2B_1: J3.1 U17.8
/SOM240_1(1.5)/SDcard1/DAT3B_0: J6.2 U17.22
/SOM240_1(1.5)/SDcard1/DAT3B_1: J3.2 U17.10
/SOM240_1(1.5)/SDcard1/SD_CARD_VCC_0: C82.1 C95.1 J6.4 U14.1
/SOM240_1(1.5)/SDcard1/SD_CARD_VCC_1: C43.1 C108.1 J3.4 U6.1
/SOM240_1(1.5)/SDI_DAC_BIAS: J10.C19 U4.9
/SOM240_1(1.5)/SDI_DAC_THRES: J10.A16 U2.9
/SOM240_1(1.5)/SHUTDOWN: J10.C32 R79.2 TP11.1
/SOM240_1(1.5)/UART_CTS: J10.C30 U9.4
/SOM240_1(1.5)/UART_RTS: J10.C31 U9.16
/SOM240_1(1.5)/UART_RXD: J10.B29 U9.2
/SOM240_1(1.5)/UART_TXD: J10.B30 U9.15
/SOM240_1(1.5)/USB-UART1/USB_RESET#: R81.1 U9.9
/SOM240_2(1.5)/CLR_DAC*_ped: J5.D46 R108.1 U15.11
/SOM240_2(1.5)/CS/LD_DAC_ped*: J5.D49 U15.7
/SOM240_2(1.5)/SCK_DAC_ped: J5.D48 U15.8
/SOM240_2(1.5)/SDI_DAC_ped: J5.D45 U15.9
ADC_CNV: J4.50 J5.D54
ADC_SCLK: J4.58 J5.D52
ADC_SDI: J4.60 J5.C52
ADC_SDO: J4.54 J5.D53
DAC_SCLK: J4.62 J5.C51
DAC_V_IN: J4.42 J5.D56
Disc_Thresh1: J2.21 U2.2
Disc_Thresh2: J2.25 U2.3
Disc_Thresh3: J2.29 U2.4
Disc_Thresh4: J2.33 U2.5
Disc_Thresh5: J2.37 U2.12
Disc_Thresh6: J2.69 U2.13
Disc_Thresh7: J2.73 U2.14
Disc_Thresh8: J2.77 U2.15
DISCBIAS: J2.09 U4.2
HPB00_CC_N: J4.07 J5.D16
HPB00_CC_P: J4.05 J5.D15
HPB01_N: J4.03 J5.D13
HPB01_P: J4.01 J5.D12
HPB04_N: J4.15 J5.D22
HPB04_P: J4.13 J5.D21
HPB06_N: J4.65 J5.A21
HPB06_P: J4.67 J5.A20
HPB08_N: J4.73 J5.A15
HPB08_P: J4.75 J5.A14
HPB12_N: J4.69 J5.A18
HPB12_P: J4.71 J5.A17
HPB15_CC_N: J4.77 J5.A12
HPB15_CC_P: J4.79 J5.A11
HPB16_N: J4.61 J5.A24
HPB16_P: J4.63 J5.A23
HPB17_N: J4.19 J5.D25
HPB17_P: J4.17 J5.D24
HPB19_N: J4.57 J5.A27
HPB19_P: J4.59 J5.A26
HPB_CLK0_N: J4.11 J5.D19
HPB_CLK0_P: J4.09 J5.D18
HPC00_CC_N: J4.31 J5.D34
HPC00_CC_P: J4.29 J5.D33
HPC01_N: J4.27 J5.D31
HPC01_P: J4.25 J5.D30
HPC02_N: J4.35 J5.D37
HPC02_P: J4.33 J5.D36
HPC04_N: J4.39 J5.D40
HPC04_P: J4.37 J5.D39
HPC08_N: J4.53 J5.A30
HPC08_P: J4.55 J5.A29
HPC09_N: J4.23 J5.D28
HPC09_P: J4.21 J5.D27
HPC14_N: J4.45 J5.A36
HPC14_P: J4.47 J5.A35
HPC15_CC_N: J4.41 J5.A39
HPC15_CC_P: J4.43 J5.A38
HPC19_N: J4.49 J5.A33
HPC19_P: J4.51 J5.A32
OscClkOut: J4.22 J5.D44
P5_ReadClk: J2.52 J10.C22
P5_rst: J2.20 J10.D17
PICO: J2.28 J10.D21
POCI: J2.26 J10.D22
PS_POR: J10.C15 R65.2 U1.16 U11.6
PS_SRST: J10.C16 R67.2 U12.6
Psec5RefClk: J2.35 J10.D16
Psec5TriggerIn: J2.78 J10.D20
Psec5TriggerOut: J2.50 J10.D18
READBIAS1: J2.07 U4.4
READBIAS2: J2.05 U4.5
SIGNAL1+: J2.06 R9.1
SIGNAL1-: J2.08 R15.1
SIGNAL2+: J2.14 R16.1
SIGNAL2-: J2.16 R17.1
SIGNAL3+: J2.22 R25.1
SIGNAL3-: J2.24 R30.1
SIGNAL4+: J2.30 R46.1
SIGNAL4-: J2.32 R47.1
SIGNAL5+: J2.46 R48.1
SIGNAL5-: J2.48 R49.1
SIGNAL6+: J2.54 R50.1
SIGNAL6-: J2.56 R51.1
SIGNAL7+: J2.62 R52.1
SIGNAL7-: J2.64 R53.1
SIGNAL8+: J2.70 R54.1
SIGNAL8-: J2.72 R72.1
SPIclk: J2.18 J10.C20
SYNC_N: J4.64 J5.C50
V_ped1: J4.40 U15.2
V_ped2: J4.38 U15.3
V_ped3: J4.36 U15.4
V_ped4: J4.34 U15.5
V_ped5: J4.32 U15.12
V_ped6: J4.30 U15.13
V_ped7: J4.28 U15.14
V_ped8: J4.26 U15.15
WBUFBIAS: J2.11 U4.3
Net-(ADC1-RBIAS): ADC1.40 R57.1
Net-(ADC1-REFB): ADC1.43 C34.1 C35.2 C36.2
Net-(ADC1-REFT): ADC1.44 C33.1 C35.1 C36.1
Net-(ADC1-VREF): ADC1.42 C73.1 C75.1 C117.1
Net-(ADC2-RBIAS): ADC2.40 R56.1
Net-(ADC2-REFB): ADC2.43 C38.1 C39.2 C40.2
Net-(ADC2-REFT): ADC2.44 C37.1 C39.1 C40.1
Net-(ADC2-VREF): ADC2.42 C78.1 C79.1 C116.1
Net-(C1-Pad1): C1.1 R72.2 R99.1
Net-(C5-Pad1): C5.1 FB1.1 R110.1 U6.4 U6.7
Net-(C6-Pad1): C6.1 R54.2 R98.1
Net-(C7-Pad1): C7.1 R53.2 R64.1
Net-(C9-Pad1): C9.1 R52.2 R63.1
Net-(C11-Pad1): C11.1 R51.2 R62.1
Net-(C16-Pad1): C16.1 R50.2 R97.1
Net-(C25-Pad1): C25.1 R49.2 R96.1
Net-(C28-Pad1): C28.1 R48.2 R94.1
Net-(C74-Pad1): C74.1 R47.2 R93.1
Net-(C76-Pad1): C76.1 R46.2 R92.1
Net-(C77-Pad1): C77.1 R30.2 R91.1
Net-(C80-Pad1): C80.1 R25.2 R95.1
Net-(C81-Pad1): C81.1 R17.2 R90.1
Net-(C93-Pad1): C93.1 R16.2 R89.1
Net-(C94-Pad1): C94.1 FB2.1 R58.1 U14.4 U14.7
Net-(C97-Pad1): C97.1 R15.2 R80.1
Net-(C98-Pad1): C98.1 R9.2 R77.1
Net-(J10A-PS_ERROR_OUT_M2C): J10.B24 TP12.1
Net-(J10A-PS_ERROR_STATUS_M2C): J10.B25 TP29.1
Net-(J10A-PWROFF_C2M_L): J10.B26 TP30.1
Net-(J10B-MIO52): J10.D36 R1.1
Net-(J10B-MIO53): J10.D37 R3.1
Net-(J10B-MIO54): J10.D38 R4.1
Net-(J10B-MIO64): J10.D40 R5.1
Net-(J10B-MIO65): J10.D41 R6.1
Net-(J10B-MIO66): J10.D42 R7.1
Net-(J10B-PWRGD_FPD_M2C): J10.D24 TP31.1
Net-(J10B-PWRGD_LPD_M2C): J10.D25 TP32.1
Net-(J10B-PWRGD_PL_M2C): J10.D26 TP33.1
Net-(JP1-C): JP1.2 U17.24
Net-(LDO1-ADJ): LDO1.5 R61.1 R82.2
Net-(LDO1-EN): LDO1.1 R59.2
Net-(LDO2-ADJ): LDO2.5 R55.1 R101.2
Net-(LDO2-EN): LDO2.1 R44.2
Net-(LDO4-ADJ): LDO4.5 R11.1 R103.2
Net-(LDO4-EN): LDO4.1 R2.2
Net-(LDO5-ADJ): LDO5.5 R14.1 R102.2
Net-(LDO5-EN): LDO5.1 R12.2
Net-(LDO7-ADJ): LDO7.5 R33.1 R104.2
Net-(LDO7-EN): LDO7.1 R32.2
Net-(LDO8-ADJ): LDO8.5 R36.1 R105.2
Net-(LDO8-EN): LDO8.1 R35.2
Net-(LDO9-ADJ): LDO9.5 R43.1 R106.2
Net-(LDO9-EN): LDO9.1 R41.2
Net-(LDO10-ADJ): LDO10.5 R40.1 R107.2
Net-(LDO10-EN): LDO10.1 R38.2
Net-(Q1-D): Q1.1 R110.2 R111.1 U6.3
Net-(Q1-G): Q1.2 R85.2
Net-(Q4-D): Q4.1 R58.2 R66.1 U14.3
Net-(Q4-G): Q4.2 R68.2
Net-(Q6-D): Q6.1 R115.2
Net-(Q6-G): Q6.2 R113.2
Net-(Q8-D): Q8.1 R114.2
Net-(Q8-G): Q8.2 R112.2
Net-(R10-Pad2): R10.2 R103.1
Net-(R60-Pad2): R60.2 R82.1
Net-(R74-Pad1): R74.1 T1.11
Net-(R76-Pad1): R76.1 T1.13
Net-(R101-Pad1): R45.2 R101.1
Net-(R102-Pad1): R13.2 R102.1
Net-(R104-Pad1): R34.2 R104.1
Net-(R105-Pad1): R37.2 R105.1
Net-(R106-Pad1): R42.2 R106.1
Net-(R107-Pad1): R39.2 R107.1
Net-(R114-Pad1): R114.1 T1.12
Net-(R115-Pad1): R115.1 T1.14
Net-(T1-SHIELD1): C57.1 R100.1 T1.S1 T1.S2
Net-(U1-CONFIG): R84.2 U1.15
Net-(U1-REGCAP1): C155.2 U1.37
Net-(U1-REGCAP2): C155.1 U1.41
Net-(U1-RSET): R22.1 U1.30
Net-(U1-RX_CLK): R78.1 U1.46
Net-(U1-RX_CTRL): R28.1 U1.43
Net-(U1-RXD[0]): R27.1 U1.44
Net-(U1-RXD[1]): R26.1 U1.45
Net-(U1-RXD[2]): R24.1 U1.47
Net-(U1-RXD[3]): R23.1 U1.48
Net-(U2-REF): C30.1 C90.1 U2.6 U7.7 U7.8
Net-(U2-SDO): TP19.1 U2.10
Net-(U4-REF): C32.1 C89.1 U4.6 U8.7 U8.8
Net-(U4-SDO): TP20.1 U4.10
Net-(U5-TRIM): R8.2 U5.2
Net-(U9-USBDM): R87.1 U9.7
Net-(U9-USBDP): R31.1 U9.6
Net-(U10-CH1): C107.1 J14.2 R87.2 U10.1
Net-(U10-CH2): C69.1 J14.3 R31.2 U10.2
Net-(U11-*MR): C44.1 U11.4
Net-(U11-CT): C45.1 U11.3
Net-(U12-*MR): R69.2 SW1.3 SW1.4 U12.4
Net-(U12-CT): C67.1 U12.3
Net-(U13-FEEDBACK): C103.1 C104.1 U13.7 U13.8 U15.6
Net-(U15-SDO): TP15.1 U15.10
Net-(U16-TRIM): R29.2 U16.2
